# Altium PCB Fujin_Body.PcbDoc (part 1 of 2) (continued)
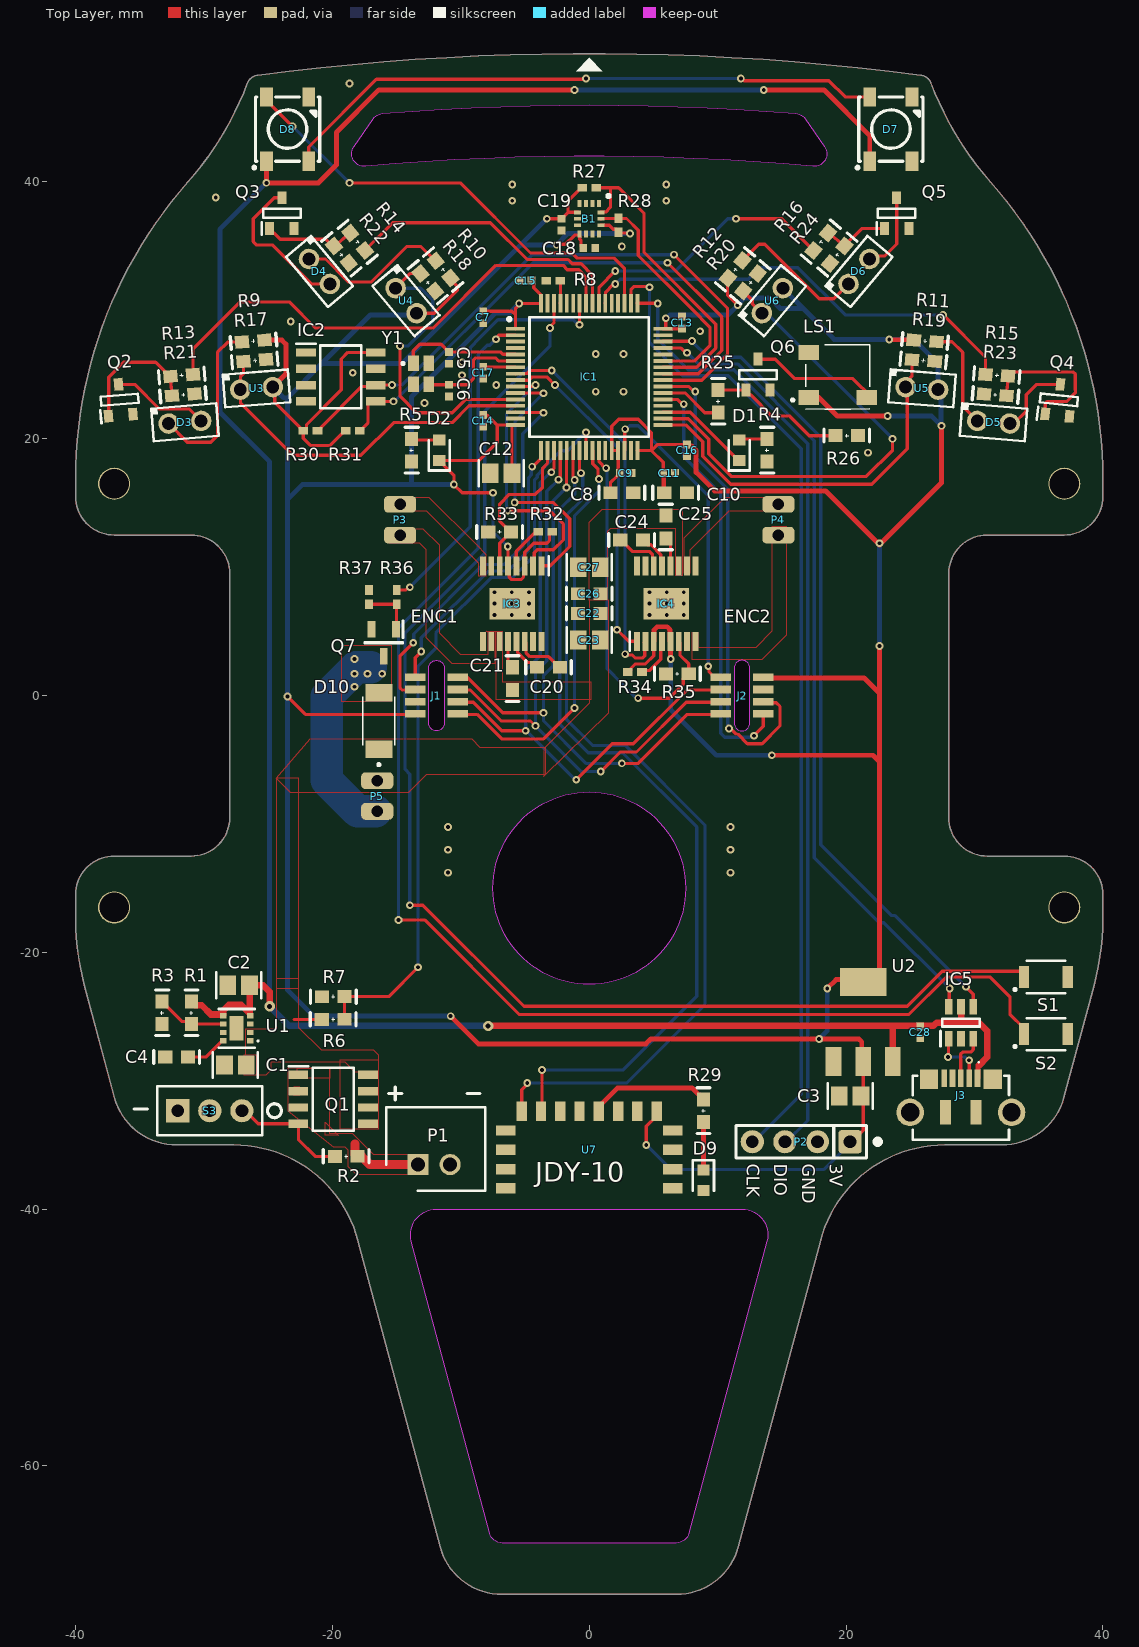
[diagram p0: Top Layer view]
## Part data
B1: "IMUs - Inertial Measurement Units", Manufacturer_Name=STMicroelectronics, Datasheet Link=https://componentsearchengine.com/Datasheets/2/LSM6DSRTR.pdf, Geometry.Height=0.86mm, Manufacturer_Part_Number=LSM6DSRTR
C1 C12: library part "CAP CER 10UF 16V X5R 0805", "CAP CER 10UF 16V X5R 0805", Capacitance=10µF, Manufacturer="AVX Corporation", Manufacturer Part Number=0805YD106KAT2A, Operating Temperature="-55°C ~ 85°C", Package / Case="0805 (2012 Metric)", Ratings=-, Supplier Part Number 1=478-5165-1-ND, Temperature Coefficient=X5R, Tolerance=±10%, Voltage - Rated=16V, Applications="General Purpose", Category=Capacitors, ComponentLink1Description=http://datasheets.avx.com/cx5r.pdf, ComponentLink1URL=http://datasheets.avx.com/cx5r.pdf, Features=-, Height - Seated (Max)=-, Lead Spacing=-, Lead Style=-, Mounting Type="Surface Mount, MLCC", Packaging="Cut Tape (CT)", Part Status=Active, Pricing 1="1=0.18, 10=0.124, 25=0.0908, 50=0.0742, 100=0.0627, 250=0.05116, 500=0.0429, 1000=0.03795 (USD)", RoHS="RoHS Compliant", Size / Dimension="0.079\" L x 0.049\" W (2.01mm x 1.25mm)", Stock 1=198871, Supplier 1=Digi-Key, Thickness (Max)="0.055\" (1.40mm)"
C2 C3 C23 C27: library part "CAP CER 22UF 25V X5R 0805", "CAP CER 22UF 25V X5R 0805", Capacitance=10µF, Manufacturer="AVX Corporation", Manufacturer Part Number=0805YD106KAT2A, Operating Temperature="-55°C ~ 85°C", Package / Case="0805 (2012 Metric)", Ratings=-, Supplier Part Number 1=478-5165-1-ND, Temperature Coefficient=X5R, Tolerance=±10%, Voltage - Rated=16V, Applications="General Purpose", Category=Capacitors, ComponentLink1Description=http://datasheets.avx.com/cx5r.pdf, ComponentLink1URL=https://www.lcsc.com/product-detail/Multilayer-Ceramic-Capacitors-MLCC-SMD-SMT_Murata-Electronics-GRM21BR61E226ME44L_C86816.html, Features=-, Height - Seated (Max)=-, Lead Spacing=-, Lead Style=-, Mounting Type="Surface Mount, MLCC", Packaging="Cut Tape (CT)", Part Status=Active, Pricing 1="1=0.18, 10=0.124, 25=0.0908, 50=0.0742, 100=0.0627, 250=0.05116, 500=0.0429, 1000=0.03795 (USD)", RoHS="RoHS Compliant", Size / Dimension="0.079\" L x 0.049\" W (2.01mm x 1.25mm)", Stock 1=198871, Supplier 1=Digi-Key, Thickness (Max)="0.055\" (1.40mm)"
C4: library part "CAP 430pF", "Capacitor Cer 430pF", Capacitance Tolerance="+80%, -20%", Capacitor Terminals="Radial Leaded", Dielectric Characteristic=Y5, Manufacturer=-, Manufacturer Part Number=IMP14925, Operating Temperature Max=85, Operating Temperature Min=-25, Operating Temperature Range="-25°C to +85°C<!--FANDB--><div class=\"features-and-benefits-container\"><div class=\"features-and-benefits-description\"><span class=\"features-benefits-value\">The MCFY series from Multicomp are radial leaded ceramic disc capacitors. The capacitance values ranges from 6800pF to 0.22?F.</span></div><div class=\"features-and-benefits-list\"><ul class=\"features-and-benefits-list-list\"><li class=\"features-and-benefits-list-item\">Large capacitance in small size</li><li class=\"features-and-benefits-list-item\">Rated voltage of 50V</li><li class=\"features-and-benefits-list-item\">80%/-20% tolerance</li><li class=\"features-and-benefits-list-item\">Operating temperature range -25°C to +85", Supplier Part Number 1="Capacitor Cerâmico Disco 100Kpf/50V (104/100K/100nF/0.1uF) cód. 1351", Voltage Rating=50, Capacitance Tolerance ±="+80%, -20%", ComponentLink1Description=http://loja.multcomercial.com.br/capacitor-ceramico-disco-100kpf-50v-104-100k-100nf-0-1uf-cod-1351.html, ComponentLink1URL=http://loja.multcomercial.com.br/capacitor-ceramico-disco-100kpf-50v-104-100k-100nf-0-1uf-cod-1351.html, Lead Spacing=5, Packaging=Each, Pricing 1="1=0.10 (BRL)", Product Range="MCFY Series", RoHS=YES, Stock 1=115809, Supplier 1="Mult Comercial", SVHC="No SVHC (15-Jun-2015)"
C5 C6: library part "CAP 10pF", "Capacitor Cer 10pF", Capacitance Tolerance="+80%, -20%", Capacitor Terminals="Radial Leaded", Dielectric Characteristic=Y5, Manufacturer=-, Manufacturer Part Number=IMP14925, Operating Temperature Max=85, Operating Temperature Min=-25, Operating Temperature Range="-25°C to +85°C<!--FANDB--><div class=\"features-and-benefits-container\"><div class=\"features-and-benefits-description\"><span class=\"features-benefits-value\">The MCFY series from Multicomp are radial leaded ceramic disc capacitors. The capacitance values ranges from 6800pF to 0.22?F.</span></div><div class=\"features-and-benefits-list\"><ul class=\"features-and-benefits-list-list\"><li class=\"features-and-benefits-list-item\">Large capacitance in small size</li><li class=\"features-and-benefits-list-item\">Rated voltage of 50V</li><li class=\"features-and-benefits-list-item\">80%/-20% tolerance</li><li class=\"features-and-benefits-list-item\">Operating temperature range -25°C to +85", Supplier Part Number 1="Capacitor Cerâmico Disco 100Kpf/50V (104/100K/100nF/0.1uF) cód. 1351", Voltage Rating=50, Capacitance Tolerance ±="+80%, -20%", ComponentLink1Description=http://loja.multcomercial.com.br/capacitor-ceramico-disco-100kpf-50v-104-100k-100nf-0-1uf-cod-1351.html, ComponentLink1URL=http://loja.multcomercial.com.br/capacitor-ceramico-disco-100kpf-50v-104-100k-100nf-0-1uf-cod-1351.html, Lead Spacing=5, Packaging=Each, Pricing 1="1=0.10 (BRL)", Product Range="MCFY Series", RoHS=YES, Stock 1=115809, Supplier 1="Mult Comercial", SVHC="No SVHC (15-Jun-2015)"
C7 C9 C11 C13 C14 C15 C16 C17 C18 C19 C28: library part "CAP 100NF 50V 0402", "Capacitor Cer 100nF 50V 0402", Capacitance=0.1uF, Capacitance Tolerance="+80%, -20%", Capacitor Terminals="Radial Leaded", Dielectric Characteristic=Y5, Manufacturer=-, Manufacturer Part Number=IMP14925, Operating Temperature Max=85, Operating Temperature Min=-25, Operating Temperature Range="-25°C to +85°C<!--FANDB--><div class=\"features-and-benefits-container\"><div class=\"features-and-benefits-description\"><span class=\"features-benefits-value\">The MCFY series from Multicomp are radial leaded ceramic disc capacitors. The capacitance values ranges from 6800pF to 0.22?F.</span></div><div class=\"features-and-benefits-list\"><ul class=\"features-and-benefits-list-list\"><li class=\"features-and-benefits-list-item\">Large capacitance in small size</li><li class=\"features-and-benefits-list-item\">Rated voltage of 50V</li><li class=\"features-and-benefits-list-item\">80%/-20% tolerance</li><li class=\"features-and-benefits-list-item\">Operating temperature range -25°C to +85", Supplier Part Number 1="Capacitor Cerâmico Disco 100Kpf/50V (104/100K/100nF/0.1uF) cód. 1351", Voltage Rating=50, Capacitance Tolerance ±="+80%, -20%", ComponentLink1Description=http://loja.multcomercial.com.br/capacitor-ceramico-disco-100kpf-50v-104-100k-100nf-0-1uf-cod-1351.html, ComponentLink1URL=http://loja.multcomercial.com.br/capacitor-ceramico-disco-100kpf-50v-104-100k-100nf-0-1uf-cod-1351.html, Lead Spacing=5, Packaging=Each, Pricing 1="1=0.10 (BRL)", Product Range="MCFY Series", RoHS=YES, Stock 1=115809, Supplier 1="Mult Comercial", SVHC="No SVHC (15-Jun-2015)"
C8 C10: library part "CAP CER 1UF 50V 0603", "Multilayer Ceramic Capacitors MLCC - SMD/SMT 1uF 50Volts X5R +/-10% 0603 STD", Capacitance="1 uF", Case Code - in=0603, Case Code - mm=1608, Dielectric=X5R, Manufacturer="Taiyo Yuden", Manufacturer Part Number=UMK107BJ105KA-T, Maximum Operating Temperature="+ 85 C", Minimum Operating Temperature="- 55 C", Package / Case="0603 (1608 metric)", Tolerance="10 %", Voltage Rating DC="50 VDC", Brand="Taiyo Yuden", Category="Multilayer Ceramic Capacitors MLCC - SMD/SMT", Class="Class 2", ComponentLink1Description=http://www.mouser.com/ds/2/396/mlcc_all_e-541559.pdf, ComponentLink1URL=http://www.mouser.com/ds/2/396/mlcc_all_e-541559.pdf, Height="0.8 mm", Length="1.6 mm", Minimum Order Quantity=1, Packaging=Reel, Pricing 1="1=0.512, 10=0.187, 100=0.101, 500=0.072, 1000=0.053, 4000=0.053, 8000=0.038, 12000=0.034, 24000=0.032 (AUD)", Product="General Type MLCCs", Qualification=AEC-Q200, Reeling=True, RoHS="RoHS Compliant", RoHS - Mouser=Y, Series=M, Stock 1=123303, Supplier 1=Mouser, Supplier Part Number 1=1uF, Termination=-, Termination Style=SMD/SMT, Type="Industrial/Automotive and Safety", Width="0.8 mm"
C20 C24: library part "CAP 22nF", "Capacitor Cer 22nF 50V", Capacitance Tolerance="+80%, -20%", Capacitor Terminals="Radial Leaded", Dielectric Characteristic=Y5, Manufacturer=-, Manufacturer Part Number=IMP14925, Operating Temperature Max=85, Operating Temperature Min=-25, Operating Temperature Range="-25°C to +85°C<!--FANDB--><div class=\"features-and-benefits-container\"><div class=\"features-and-benefits-description\"><span class=\"features-benefits-value\">The MCFY series from Multicomp are radial leaded ceramic disc capacitors. The capacitance values ranges from 6800pF to 0.22?F.</span></div><div class=\"features-and-benefits-list\"><ul class=\"features-and-benefits-list-list\"><li class=\"features-and-benefits-list-item\">Large capacitance in small size</li><li class=\"features-and-benefits-list-item\">Rated voltage of 50V</li><li class=\"features-and-benefits-list-item\">80%/-20% tolerance</li><li class=\"features-and-benefits-list-item\">Operating temperature range -25°C to +85", Supplier Part Number 1="Capacitor Cerâmico Disco 100Kpf/50V (104/100K/100nF/0.1uF) cód. 1351", Voltage Rating=50, Capacitance Tolerance ±="+80%, -20%", ComponentLink1Description=http://loja.multcomercial.com.br/capacitor-ceramico-disco-100kpf-50v-104-100k-100nf-0-1uf-cod-1351.html, ComponentLink1URL=http://loja.multcomercial.com.br/capacitor-ceramico-disco-100kpf-50v-104-100k-100nf-0-1uf-cod-1351.html, Lead Spacing=5, Packaging=Each, Pricing 1="1=0.10 (BRL)", Product Range="MCFY Series", RoHS=YES, Stock 1=115809, Supplier 1="Mult Comercial", SVHC="No SVHC (15-Jun-2015)"
C21 C25: library part "CAP 100NF 16V", "Capacitor Cer 100nF 16VX7R", Capacitance=0.1uF, Capacitance Tolerance="+80%, -20%", Capacitor Terminals="Radial Leaded", Dielectric Characteristic=Y5, Manufacturer=-, Manufacturer Part Number=IMP14925, Operating Temperature Max=85, Operating Temperature Min=-25, Operating Temperature Range="-25°C to +85°C<!--FANDB--><div class=\"features-and-benefits-container\"><div class=\"features-and-benefits-description\"><span class=\"features-benefits-value\">The MCFY series from Multicomp are radial leaded ceramic disc capacitors. The capacitance values ranges from 6800pF to 0.22?F.</span></div><div class=\"features-and-benefits-list\"><ul class=\"features-and-benefits-list-list\"><li class=\"features-and-benefits-list-item\">Large capacitance in small size</li><li class=\"features-and-benefits-list-item\">Rated voltage of 50V</li><li class=\"features-and-benefits-list-item\">80%/-20% tolerance</li><li class=\"features-and-benefits-list-item\">Operating temperature range -25°C to +85", Supplier Part Number 1="Capacitor Cerâmico Disco 100Kpf/50V (104/100K/100nF/0.1uF) cód. 1351", Voltage Rating=50, Capacitance Tolerance ±="+80%, -20%", ComponentLink1Description=http://loja.multcomercial.com.br/capacitor-ceramico-disco-100kpf-50v-104-100k-100nf-0-1uf-cod-1351.html, ComponentLink1URL=http://loja.multcomercial.com.br/capacitor-ceramico-disco-100kpf-50v-104-100k-100nf-0-1uf-cod-1351.html, Lead Spacing=5, Packaging=Each, Pricing 1="1=0.10 (BRL)", Product Range="MCFY Series", RoHS=YES, Stock 1=115809, Supplier 1="Mult Comercial", SVHC="No SVHC (15-Jun-2015)"
C22 C26: library part "CAP 100NF 50V", "Capacitor Cer 100nF 50V", Capacitance=0.1uF, Capacitance Tolerance="+80%, -20%", Capacitor Terminals="Radial Leaded", Dielectric Characteristic=Y5, Manufacturer=-, Manufacturer Part Number=IMP14925, Operating Temperature Max=85, Operating Temperature Min=-25, Operating Temperature Range="-25°C to +85°C<!--FANDB--><div class=\"features-and-benefits-container\"><div class=\"features-and-benefits-description\"><span class=\"features-benefits-value\">The MCFY series from Multicomp are radial leaded ceramic disc capacitors. The capacitance values ranges from 6800pF to 0.22?F.</span></div><div class=\"features-and-benefits-list\"><ul class=\"features-and-benefits-list-list\"><li class=\"features-and-benefits-list-item\">Large capacitance in small size</li><li class=\"features-and-benefits-list-item\">Rated voltage of 50V</li><li class=\"features-and-benefits-list-item\">80%/-20% tolerance</li><li class=\"features-and-benefits-list-item\">Operating temperature range -25°C to +85", Supplier Part Number 1="Capacitor Cerâmico Disco 100Kpf/50V (104/100K/100nF/0.1uF) cód. 1351", Voltage Rating=50, Capacitance Tolerance ±="+80%, -20%", ComponentLink1Description=http://loja.multcomercial.com.br/capacitor-ceramico-disco-100kpf-50v-104-100k-100nf-0-1uf-cod-1351.html, ComponentLink1URL=http://loja.multcomercial.com.br/capacitor-ceramico-disco-100kpf-50v-104-100k-100nf-0-1uf-cod-1351.html, Lead Spacing=5, Packaging=Each, Pricing 1="1=0.10 (BRL)", Product Range="MCFY Series", RoHS=YES, Stock 1=115809, Supplier 1="Mult Comercial", SVHC="No SVHC (15-Jun-2015)"
D1 D2: "LED", Manufacturer_Name="ROHM Semiconductor", Manufacturer_Part_Number=SML-D12U1WT86, Mouser Part Number=755-SML-D12U1WT86, Datasheet Link=https://componentsearchengine.com/Datasheets/1/SML-D12U1WT86.pdf, Height=0.65mm, Mouser Price/Stock=https://www.mouser.co.uk/ProductDetail/ROHM-Semiconductor/SML-D12U1WT86?qs=M3jcYzEJUdEySuGkbjHEtQ%3D%3D
D3 D4 D5 D6: "LED 5mm IR", Manufacturer=OSRAM, Bulb Size=5mm, Datasheet=https://look.ams-osram.com/m/7d214b223a9adb85/original/SFH-4550.pdf
D7 D8: "Diode", Manufacturer_Name=Worldsemi, Manufacturer_Part_Number=WS2812, Datasheet Link=https://www.adafruit.com/datasheets/WS2812.pdf
D9: library part "LED RED 0603", "LED", Manufacturer_Name="ROHM Semiconductor", Manufacturer_Part_Number=SML-D12U1WT86, Mouser Part Number=755-SML-D12U1WT86, Datasheet Link=https://componentsearchengine.com/Datasheets/1/SML-D12U1WT86.pdf, Height=0.65mm, Mouser Price/Stock=https://www.mouser.co.uk/ProductDetail/ROHM-Semiconductor/SML-D12U1WT86?qs=M3jcYzEJUdEySuGkbjHEtQ%3D%3D
D10: "Schottky Diode", Manufacturer_Name=Nexperia, Mouser Part Number=771-PMEG3050EP115, Arrow Part Number=PMEG3050EP,115, Arrow Price/Stock=https://www.arrow.com/en/products/pmeg3050ep115/nexperia?region=nac, Datasheet Link=https://assets.nexperia.com/documents/data-sheet/PMEG3050EP.pdf, Height=1mm, Manufacturer_Part_Number=PMEG3050EP,115, Mouser Price/Stock=https://www.mouser.co.uk/ProductDetail/Nexperia/PMEG3050EP115?qs=GcY6OjH1zdmnjQ%2FhUT5aOA%3D%3D
IC1: "Integrated Circuit", Manufacturer_Name=STMicroelectronics, Mouser Part Number=511-STM32G474RCT6, Datasheet Link=https://www.mouser.it/datasheet/2/389/dm00431551-1799305.pdf, Height=1.6mm, Manufacturer_Part_Number=STM32G474RCT6, Mouser Price/Stock=https://www.mouser.co.uk/ProductDetail/STMicroelectronics/STM32G474RCT6?qs=uwxL4vQweFOU%2FtVbMPY7ow%3D%3D
IC2: "Integrated Circuit", Arrow Part Number=24LC512-E/SN, Manufacturer_Name=Microchip, Mouser Part Number=579-24LC512-E/SN, Arrow Price/Stock=https://www.arrow.com/en/products/24lc512-esn/microchip-technology?region=nac, Datasheet Link=http://www.microchip.com/mymicrochip/filehandler.aspx?ddocname=en546203, Height=1.75mm, Manufacturer_Part_Number=24LC512-E/SN, Mouser Price/Stock=https://www.mouser.co.uk/ProductDetail/Microchip-Technology/24LC512-E-SN?qs=CtbZ3JXzXSq04R8z3pTI3A%3D%3D
IC3 IC4: "Integrated Circuit", Manufacturer_Name="Texas Instruments", Mouser Part Number=595-DRV8874PWPR, Arrow Part Number=DRV8874PWPR, Arrow Price/Stock=https://www.arrow.com/en/products/drv8874pwpr/texas-instruments?region=nac, Datasheet Link=https://www.ti.com/lit/gpn/DRV8874, Height=1.2mm, Manufacturer_Part_Number=DRV8874PWPR, Mouser Price/Stock=https://www.mouser.co.uk/ProductDetail/Texas-Instruments/DRV8874PWPR?qs=mAH9sUMRCtvh%2FSU15ywmDA%3D%3D
IC5: "Integrated Circuit", Manufacturer_Name=STMicroelectronics, Mouser Part Number=511-USBLC6-2SC6, Arrow Part Number=USBLC6-2SC6, Arrow Price/Stock=https://www.arrow.com/en/products/usblc6-2sc6/stmicroelectronics?region=nac, Datasheet Link=http://www.st.com/st-web-ui/static/active/en/resource/technical/document/datasheet/CD00050750.pdf, Height=1.45mm, Manufacturer_Part_Number=USBLC6-2SC6, Mouser Price/Stock=https://www.mouser.co.uk/ProductDetail/STMicroelectronics/USBLC6-2SC6?qs=po45yt2pPpu%2FhNIlwQdTlg%3D%3D
J3: "Connector", Manufacturer_Name=Molex, Mouser Part Number=538-105164-0001, Datasheet Link=https://www.molex.com/pdm_docs/sd/1051640001_sd.pdf, Height=2.7mm, Manufacturer_Part_Number=105164-0001, Mouser Price/Stock=https://www.mouser.co.uk/ProductDetail/Molex/105164-0001?qs=JAwGc6FMfvtRY4SkW%2FoGcQ%3D%3D
LS1: "Loudspeaker or Buzzer", LCSC="Jiangsu Huaneng Elec MLT-5020", Manufacturer_Name="PUI Audio", Manufacturer_Part_Number=SMT-0540-S-R, Mouser Part Number=665-SMT0540SR, Datasheet Link=http://www.puiaudio.com/pdf/SMT-0540-S-R.pdf, Height=2mm, Link=https://www.lcsc.com/product-detail/Buzzers_Jiangsu-Huaneng-Elec-MLT-5020_C94598.html, Mouser Price/Stock=https://www.mouser.co.uk/ProductDetail/PUI-Audio/SMT-0540-S-R?qs=e16JbV5WBEu5VaDVzQP23Q%3D%3D
P1: library part "Battery Connector"
P2: "Headers & Wire Housings 40Pin 2mm Spacing Single Row Hdrs, 5pc", Manufacturer=Cromax, Manufacturer Part Number=IMP10327, Supplier Part Number 1="Barra de Pinos Simples 1x40 Macho BMO40-1E", Accessory Type=-, Brand=Cromax, Category="Headers & Wire Housings", ComponentLink1Description=http://loja.multcomercial.com.br/barra-de-pinos-simples-1x40-macho-bmo40-1e.html, ComponentLink1URL=http://loja.multcomercial.com.br/barra-de-pinos-simples-1x40-macho-bmo40-1e.html, Contact Gender="Pin (Male)", Contact Plating=Gold, Contact Type=-, Minimum Order Quantity=1, Mounting Angle=Vertical, Mounting Style="Straight Pin", Number of Positions="40 Position", Number of Rows="1 Row", Pitch="2 mm", Pricing 1="1=1.00, 5=0.20 (BRL)", Product=Headers, Product Category=Accessories, Reeling=False, RoHS="RoHS Compliant", RoHS - Mouser=Y, Row Spacing=-, Stock 1=14, Supplier 1="Mult Comercial", Termination Style="Through Hole", Type=Breakaway
Q1: "MOSFET (P-Channel)", Manufacturer_Name=Infineon, Mouser Part Number=942-IRF9310TRPBF, Arrow Part Number=IRF9310TRPBF, Arrow Price/Stock=https://www.arrow.com/en/products/irf9310trpbf/infineon-technologies-ag, Datasheet Link=http://uk.rs-online.com/web/p/products/8273912, Height=1.75mm, Manufacturer_Part_Number=IRF9310TRPBF, Mouser Price/Stock=https://www.mouser.co.uk/ProductDetail/Infineon-Technologies/IRF9310TRPBF?qs=9%252BKlkBgLFf0NoechZyOTDg%3D%3D
Q2 Q3 Q4 Q5 Q6: "MOSFET (N-Channel)", Manufacturer_Name=onsemi, Mouser Part Number=512-2N7002K, Arrow Part Number=2N7002K, Arrow Price/Stock=https://www.arrow.com/en/products/2n7002k/on-semiconductor?region=nac, Datasheet Link=https://componentsearchengine.com/Datasheets/2/2N7002K.pdf, Height=1.2mm, Manufacturer_Part_Number=2N7002K, Mouser Price/Stock=https://www.mouser.co.uk/ProductDetail/onsemi-Fairchild/2N7002K?qs=iS%252BvaFGfLorx0keKeEIrfg%3D%3D
Q7: "MOSFET (N-Channel)", Manufacturer_Name=Infineon, Mouser Part Number=942-IRLML6344TRPBF, Arrow Part Number=IRLML6344TRPBF, Arrow Price/Stock=https://www.arrow.com/en/products/irlml6344trpbf/infineon-technologies-ag?region=europe, Datasheet Link=https://www.infineon.com/dgdl/irlml6344pbf.pdf?fileId=5546d462533600a4015356689c44262c, Height=1.12mm, Manufacturer_Part_Number=IRLML6344TRPBF, Mouser Price/Stock=https://www.mouser.co.uk/ProductDetail/Infineon-Technologies/IRLML6344TRPBF?qs=9%252BKlkBgLFf2w4qS48UOXVw%3D%3D
R1: library part "RES 523K 1%", Category=Resistors, ComponentLink1Description=http://www.farnell.com/datasheets/1678796.pdf, ComponentLink1URL=http://www.farnell.com/datasheets/1678796.pdf, ComponentLink2Description=http://industrial.panasonic.com/www-cgi/jvcr13pz.cgi?E+PZ+3+AOA0001+ERJ3GEYJ103V+7+WW, ComponentLink2URL=http://industrial.panasonic.com/www-cgi/jvcr13pz.cgi?E+PZ+3+AOA0001+ERJ3GEYJ103V+7+WW, Resistance (Ohms)=523k
R2: library part "RES 100K 5%", Resistance (Ohms)=100k, Category=Resistors, ComponentLink1Description=http://www.farnell.com/datasheets/1678796.pdf, ComponentLink1URL=http://www.farnell.com/datasheets/1678796.pdf, ComponentLink2Description=http://industrial.panasonic.com/www-cgi/jvcr13pz.cgi?E+PZ+3+AOA0001+ERJ3GEYJ103V+7+WW, ComponentLink2URL=http://industrial.panasonic.com/www-cgi/jvcr13pz.cgi?E+PZ+3+AOA0001+ERJ3GEYJ103V+7+WW
R3 R6: library part "RES 100K 1%", Resistance (Ohms)=100k, Category=Resistors, ComponentLink1Description=http://www.farnell.com/datasheets/1678796.pdf, ComponentLink1URL=http://www.farnell.com/datasheets/1678796.pdf, ComponentLink2Description=http://industrial.panasonic.com/www-cgi/jvcr13pz.cgi?E+PZ+3+AOA0001+ERJ3GEYJ103V+7+WW, ComponentLink2URL=http://industrial.panasonic.com/www-cgi/jvcr13pz.cgi?E+PZ+3+AOA0001+ERJ3GEYJ103V+7+WW
R4 R5: library part "RES 220R 5%_1", Manufacturer=Ty-Ohm, Manufacturer Part Number=CR25, Operating Temperature="-55°C ~ 155°C", Package / Case=Axial, Power (Watts)="0.25W, 1/4W", Resistance (Ohms)=470R, Supplier Part Number 1="Resistor de Filme de Carbono 1/4 de Watt CR25 5% de tolerância - 0.22R Ω à 10M Ω", Temperature Coefficient="0/ -500ppm/°C", Tolerance=±5%, Category=Resistors, ComponentLink1Description=http://loja.multcomercial.com.br/resistor-de-1-4-de-watt-cr25-5-de-tolerancia.html, ComponentLink1URL=http://loja.multcomercial.com.br/resistor-de-1-4-de-watt-cr25-5-de-tolerancia.html, Composition="Carbon Film", Features="Flame Retardant Coating, Safety", Height=-, Number of Terminations=2, Packaging="Cut Tape (CT)", Pricing 1="1=0.20 (BRL)", RoHS="RoHS Compliant", Size / Dimension="0.091\" Dia x 0.256\" L (2.30mm x 6.50mm)", Stock 1=617543, Supplier 1="Mult Comercial", Supplier Device Package=Axial
R7: library part "RES 33K 1%", ComponentLink1Description=http://www.farnell.com/datasheets/1678796.pdf, ComponentLink1URL=http://www.farnell.com/datasheets/1678796.pdf, ComponentLink2Description=http://industrial.panasonic.com/www-cgi/jvcr13pz.cgi?E+PZ+3+AOA0001+ERJ3GEYJ103V+7+WW, ComponentLink2URL=http://industrial.panasonic.com/www-cgi/jvcr13pz.cgi?E+PZ+3+AOA0001+ERJ3GEYJ103V+7+WW
R8 R27 R28 R30 R31 R32 R34: library part "RES 10K 5%", Manufacturer="PANASONIC ELECTRONIC COMPONENTS", Manufacturer Part Number=ERJ-3GEYJ103V, Operating Temperature="-55°C ~ 155°C", Package / Case="0603 (1608 Metric)", Power (Watts)="0.1W, 1/10W", Resistance (Ohms)=10k, Supplier Device Package=0603, Temperature Coefficient=±200ppm/°C, Tolerance=±5%, Category=Resistors, ComponentLink1Description=http://www.farnell.com/datasheets/1678796.pdf, ComponentLink1URL=http://www.farnell.com/datasheets/1678796.pdf, ComponentLink2Description=http://industrial.panasonic.com/www-cgi/jvcr13pz.cgi?E+PZ+3+AOA0001+ERJ3GEYJ103V+7+WW, ComponentLink2URL=http://industrial.panasonic.com/www-cgi/jvcr13pz.cgi?E+PZ+3+AOA0001+ERJ3GEYJ103V+7+WW, Composition="Thick Film", Features="Automotive AEC-Q200", Height="0.022\" (0.55mm)", Number of Terminations=2, Packaging="Tape & Reel (TR)", RoHS=YES, Size / Dimension="0.063\" L x 0.031\" W (1.60mm x 0.80mm)"
R9 R10 R11 R12: library part "RES 18R 5%", Manufacturer=Ty-Ohm, Manufacturer Part Number=CR25, Operating Temperature="-55°C ~ 155°C", Package / Case=Axial, Power (Watts)="0.25W, 1/4W", Supplier Part Number 1="Resistor de Filme de Carbono 1/4 de Watt CR25 5% de tolerância - 0.22R Ω à 10M Ω", Temperature Coefficient="0/ -500ppm/°C", Tolerance=±5%, Category=Resistors, ComponentLink1Description=http://loja.multcomercial.com.br/resistor-de-1-4-de-watt-cr25-5-de-tolerancia.html, ComponentLink1URL=http://loja.multcomercial.com.br/resistor-de-1-4-de-watt-cr25-5-de-tolerancia.html, Composition="Carbon Film", Features="Flame Retardant Coating, Safety", Height=-, Number of Terminations=2, Packaging="Cut Tape (CT)", Pricing 1="1=0.20 (BRL)", Resistance (Ohms)=18R, RoHS="RoHS Compliant", Size / Dimension="0.091\" Dia x 0.256\" L (2.30mm x 6.50mm)", Stock 1=617543, Supplier 1="Mult Comercial", Supplier Device Package=Axial
R13 R14 R15 R16 R25 R36: library part "RES 47R 5%", Manufacturer=Ty-Ohm, Manufacturer Part Number=CR25, Operating Temperature="-55°C ~ 155°C", Package / Case=Axial, Power (Watts)="0.25W, 1/4W", Resistance (Ohms)=470R, Supplier Part Number 1="Resistor de Filme de Carbono 1/4 de Watt CR25 5% de tolerância - 0.22R Ω à 10M Ω", Temperature Coefficient="0/ -500ppm/°C", Tolerance=±5%, Category=Resistors, ComponentLink1Description=http://loja.multcomercial.com.br/resistor-de-1-4-de-watt-cr25-5-de-tolerancia.html, ComponentLink1URL=http://loja.multcomercial.com.br/resistor-de-1-4-de-watt-cr25-5-de-tolerancia.html, Composition="Carbon Film", Features="Flame Retardant Coating, Safety", Height=-, Number of Terminations=2, Packaging="Cut Tape (CT)", Pricing 1="1=0.20 (BRL)", RoHS="RoHS Compliant", Size / Dimension="0.091\" Dia x 0.256\" L (2.30mm x 6.50mm)", Stock 1=617543, Supplier 1="Mult Comercial", Supplier Device Package=Axial
R17 R18 R19 R20 R29: library part "RES 1K 5%", Manufacturer=Ty-Ohm, Manufacturer Part Number=CR25, Operating Temperature="-55°C ~ 155°C", Package / Case=Axial, Power (Watts)="0.25W, 1/4W", Resistance (Ohms)=?, Supplier Part Number 1="Resistor de Filme de Carbono 1/4 de Watt CR25 5% de tolerância - 0.22R Ω à 10M Ω", Temperature Coefficient="0/ -500ppm/°C", Tolerance=±5%, Category=Resistors, ComponentLink1Description=http://loja.multcomercial.com.br/resistor-de-1-4-de-watt-cr25-5-de-tolerancia.html, ComponentLink1URL=http://loja.multcomercial.com.br/resistor-de-1-4-de-watt-cr25-5-de-tolerancia.html, Composition="Carbon Film", Features="Flame Retardant Coating, Safety", Height=-, Number of Terminations=2, Packaging="Cut Tape (CT)", Pricing 1="1=0.20 (BRL)", RoHS="RoHS Compliant", Size / Dimension="0.091\" Dia x 0.256\" L (2.30mm x 6.50mm)", Stock 1=617543, Supplier 1="Mult Comercial", Supplier Device Package=Axial
R21 R22 R23 R24 R26 R37: library part "RES 47K 5%", Manufacturer=Ty-Ohm, Manufacturer Part Number=CR25, Operating Temperature="-55°C ~ 155°C", Package / Case=Axial, Power (Watts)="0.25W, 1/4W", Supplier Part Number 1="Resistor de Filme de Carbono 1/4 de Watt CR25 5% de tolerância - 0.22R Ω à 10M Ω", Temperature Coefficient="0/ -500ppm/°C", Tolerance=±5%, Category=Resistors, ComponentLink1Description=http://loja.multcomercial.com.br/resistor-de-1-4-de-watt-cr25-5-de-tolerancia.html, ComponentLink1URL=http://loja.multcomercial.com.br/resistor-de-1-4-de-watt-cr25-5-de-tolerancia.html, Composition="Carbon Film", Features="Flame Retardant Coating, Safety", Height=-, Number of Terminations=2, Packaging="Cut Tape (CT)", Pricing 1="1=0.20 (BRL)", RoHS="RoHS Compliant", Size / Dimension="0.091\" Dia x 0.256\" L (2.30mm x 6.50mm)", Stock 1=617543, Supplier 1="Mult Comercial", Supplier Device Package=Axial
R33 R35: library part "RES 2K 1%_1", "Resistor 2K 1% tolerance", Manufacturer=Ty-Ohm, Manufacturer Part Number=CR25, Operating Temperature="-55°C ~ 155°C", Package / Case=Axial, Power (Watts)="0.25W, 1/4W", Resistance (Ohms)=?, Supplier Part Number 1="Resistor de Filme de Carbono 1/4 de Watt CR25 5% de tolerância - 0.22R Ω à 10M Ω", Temperature Coefficient="0/ -500ppm/°C", Tolerance=±5%, Category=Resistors, ComponentLink1Description=http://loja.multcomercial.com.br/resistor-de-1-4-de-watt-cr25-5-de-tolerancia.html, ComponentLink1URL=http://loja.multcomercial.com.br/resistor-de-1-4-de-watt-cr25-5-de-tolerancia.html, Composition="Carbon Film", Features="Flame Retardant Coating, Safety", Height=-, Number of Terminations=2, Packaging="Cut Tape (CT)", Pricing 1="1=0.20 (BRL)", RoHS="RoHS Compliant", Size / Dimension="0.091\" Dia x 0.256\" L (2.30mm x 6.50mm)", Stock 1=617543, Supplier 1="Mult Comercial", Supplier Device Package=Axial
S1 S2: library part "Switch Tactile B3U-1000P", Manufacturer=Omron, ComponentLink1Description=http://industrial.panasonic.com/cdbs/www-data/pdf/ATK0000/ATK0000CE10.pdf, ComponentLink1URL=https://br.mouser.com/ProductDetail/Omron-Electronics/B3U-1000P?qs=AO7BQMcsEu4ip80xyf2FwA%3D%3D, Supplier 1=Digi-Key
S3: library part 1101M2S3CGE2, "Switch", Alternate Part Number="XKB Connection SS-12D10L5", LCSC Part=C319012, Manufacturer_Name="C & K COMPONENTS", Mouser Part Number=611-1101M2S3CGE2, Alternate Link=https://www.lcsc.com/product-detail/Slide-Switches_XKB-Connection-SS-12D10L5_C319012.html, Arrow Part Number=1101M2S3CGE2, Arrow Price/Stock=https://www.arrow.com/en/products/1101m2s3cge2/ck, Datasheet Link=https://www.ckswitches.com/media/1429/1000.pdf, Height=11.43mm, Manufacturer_Part_Number=1101M2S3CGE2, Mouser Price/Stock=https://www.mouser.co.uk/ProductDetail/CK/1101M2S3CGE2?qs=lwH5WijZ8ehN3XG160Un%2Fg%3D%3D
U1: "Undefined or Miscellaneous", Manufacturer_Name="Texas Instruments", Mouser Part Number=595-TPS82130SILR, Arrow Part Number=TPS82130SILR, Arrow Price/Stock=https://www.arrow.com/en/products/tps82130silr/texas-instruments?region=europe, Datasheet Link=http://www.ti.com/lit/gpn/tps82130, Manufacturer_Part_Number=TPS82130SILR, Mouser Price/Stock=https://www.mouser.co.uk/ProductDetail/Texas-Instruments/TPS82130SILR?qs=diC8vqfyxkoyC4Q%252BBNy%2FPA%3D%3D
U3 U4 U5 U6: "Phototransistor", Manufacturer_Name=Kodenshi, Datasheet Link=https://www.kodenshi.co.jp/top/wp-content/uploads/2022/03/ST-1KL3A.pdf
U7: library part JDY-10-Bluetooth, ComponentLink1Description=Datasheet, ComponentLink1URL=http://myosuploads3.banggood.com/products/20190515/20190515052519JDY-10M.pdf
Y1: "CRYSTAL 16MHZ", Arrow Part Number=ABM10W-16.0000MHZ-4-B1U-T3, Manufacturer_Name=ABRACON, Mouser Part Number=815-10W16-4B1UT, Arrow Price/Stock=https://www.arrow.com/en/products/abm10w-16.0000mhz-4-b1u-t3/abracon?region=nac, Datasheet Link=https://www.abracon.com/Resonators/ABM10W.pdf, Height=0.6mm, Manufacturer_Part_Number=ABM10W-16.0000MHZ-4-B1U-T3, Mouser Price/Stock=https://www.mouser.co.uk/ProductDetail/ABRACON/ABM10W-16.0000MHZ-4-B1U-T3?qs=5aG0NVq1C4x2nD%252BLlu9wCg%3D%3D

## Free pads (board coordinates)
  round 2.5 hole 2.3: 2(-37,-16.5) 2(-37,16.5) 2(37,-16.5) 2(37,16.5)

## Via types
v1: diameter 0.6, hole 0.3, Top Layer to Bottom Layer, tented both sides, 137 vias
v2: diameter 0.8, hole 0.4, Top Layer to Bottom Layer, tented both sides, 2 vias